# Altium PCB PCB_121224_01AA.PcbDoc (part 1 of 2)
Units mm, origin at the board's own origin, x right, y up, seen from the top; angles counter-clockwise.
Board outline 80 x 51 mm, 4 copper layers (Top Layer, Layer 1, Layer 2, Bottom Layer), stack 1.578 mm thick; 124 components, 66 nets, 343 pads, 298 vias.
Unrouted connection lines stored in the file: 81.
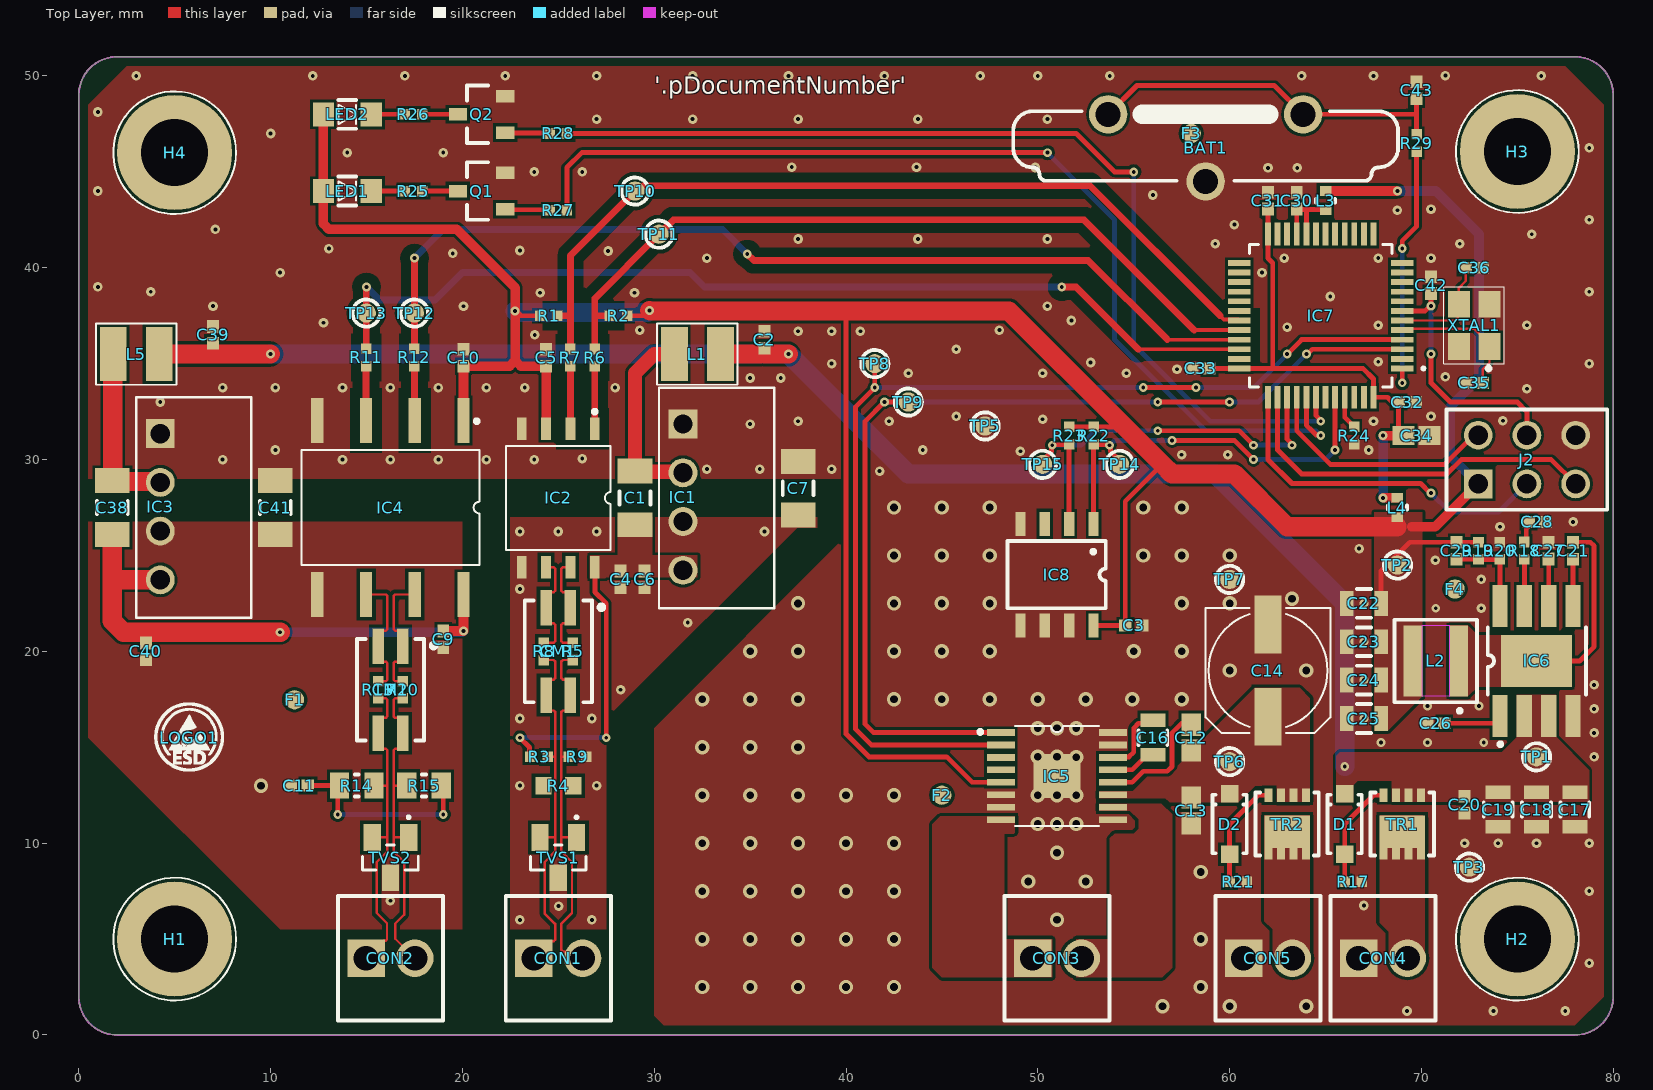
[diagram p0: Top Layer view]
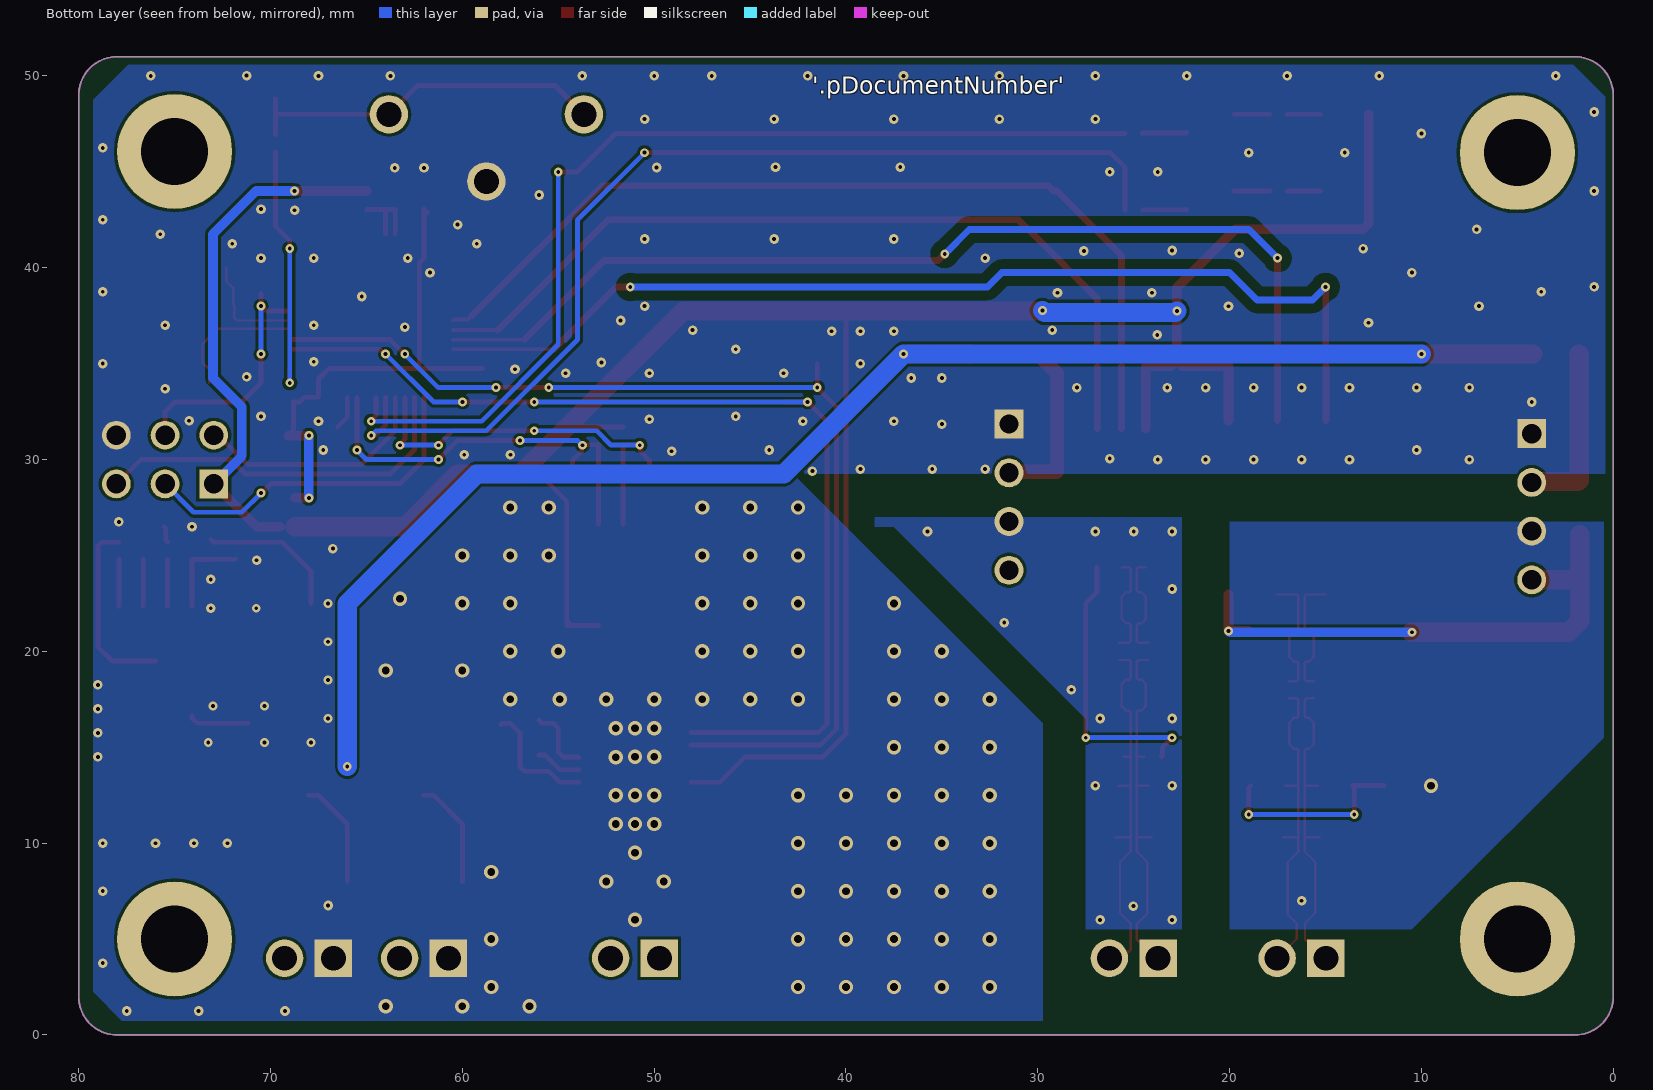
[diagram p1: Bottom Layer view, seen from below]
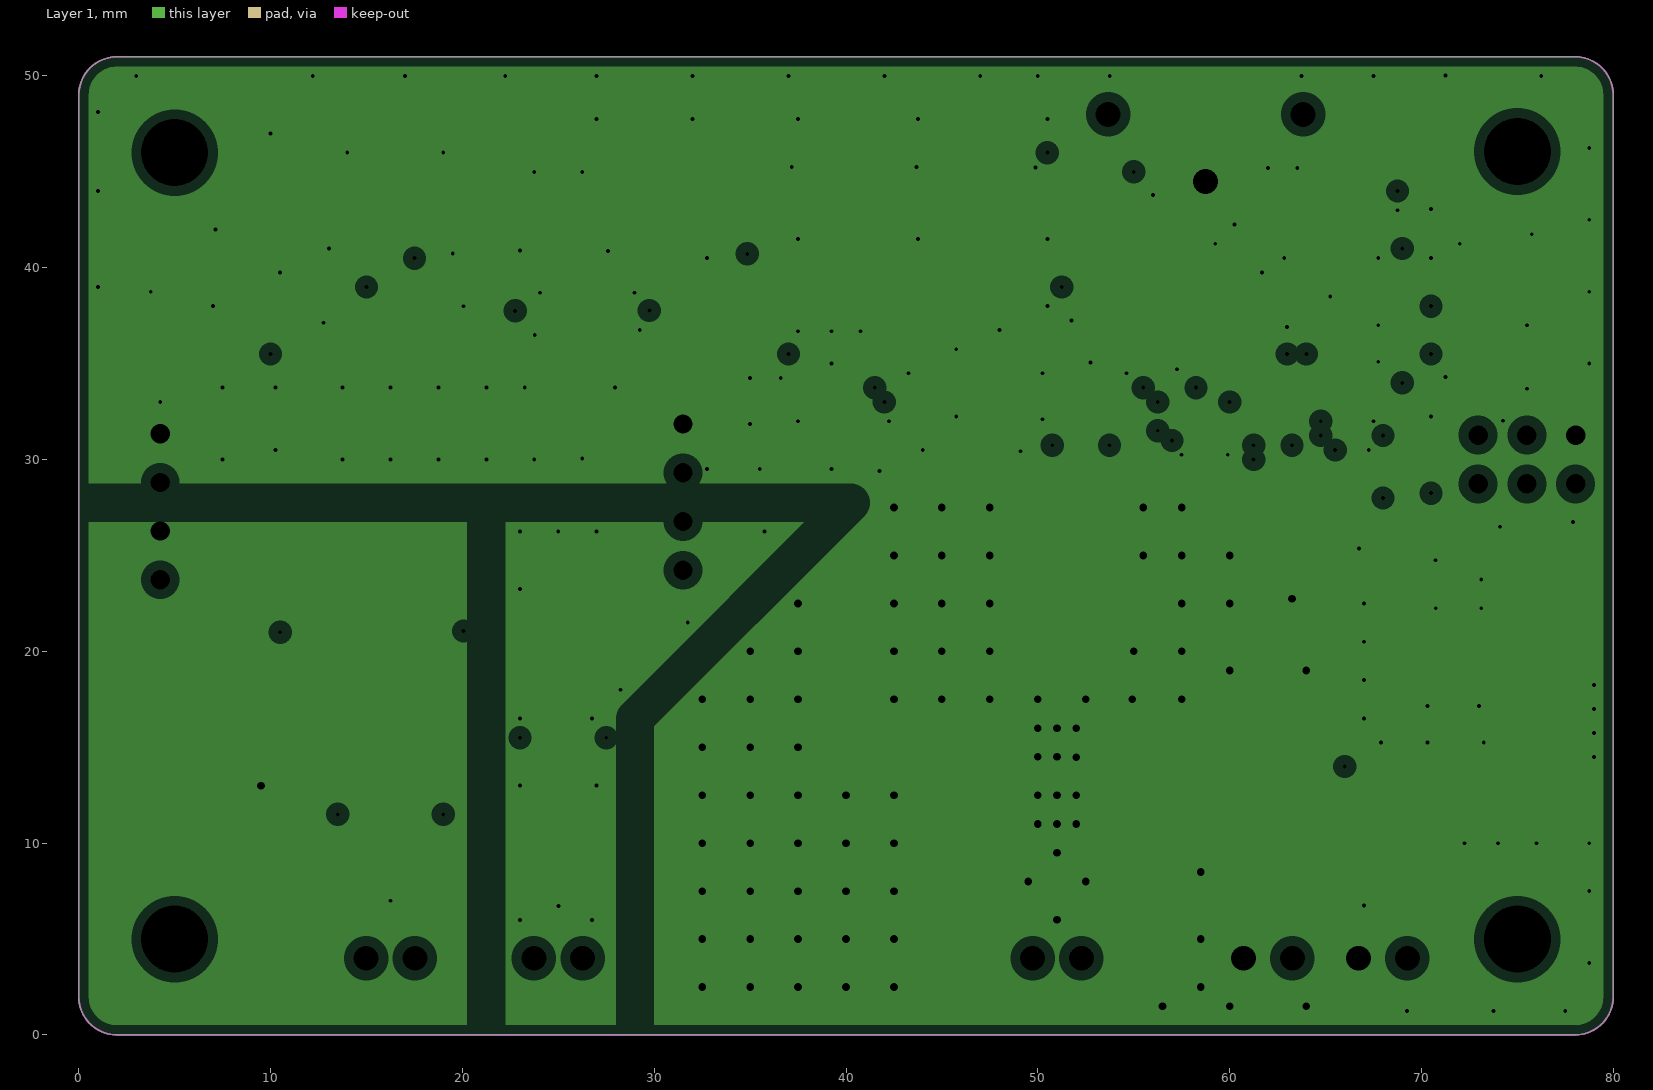
[diagram p2: Layer 1, clearances drawn from the general rule]
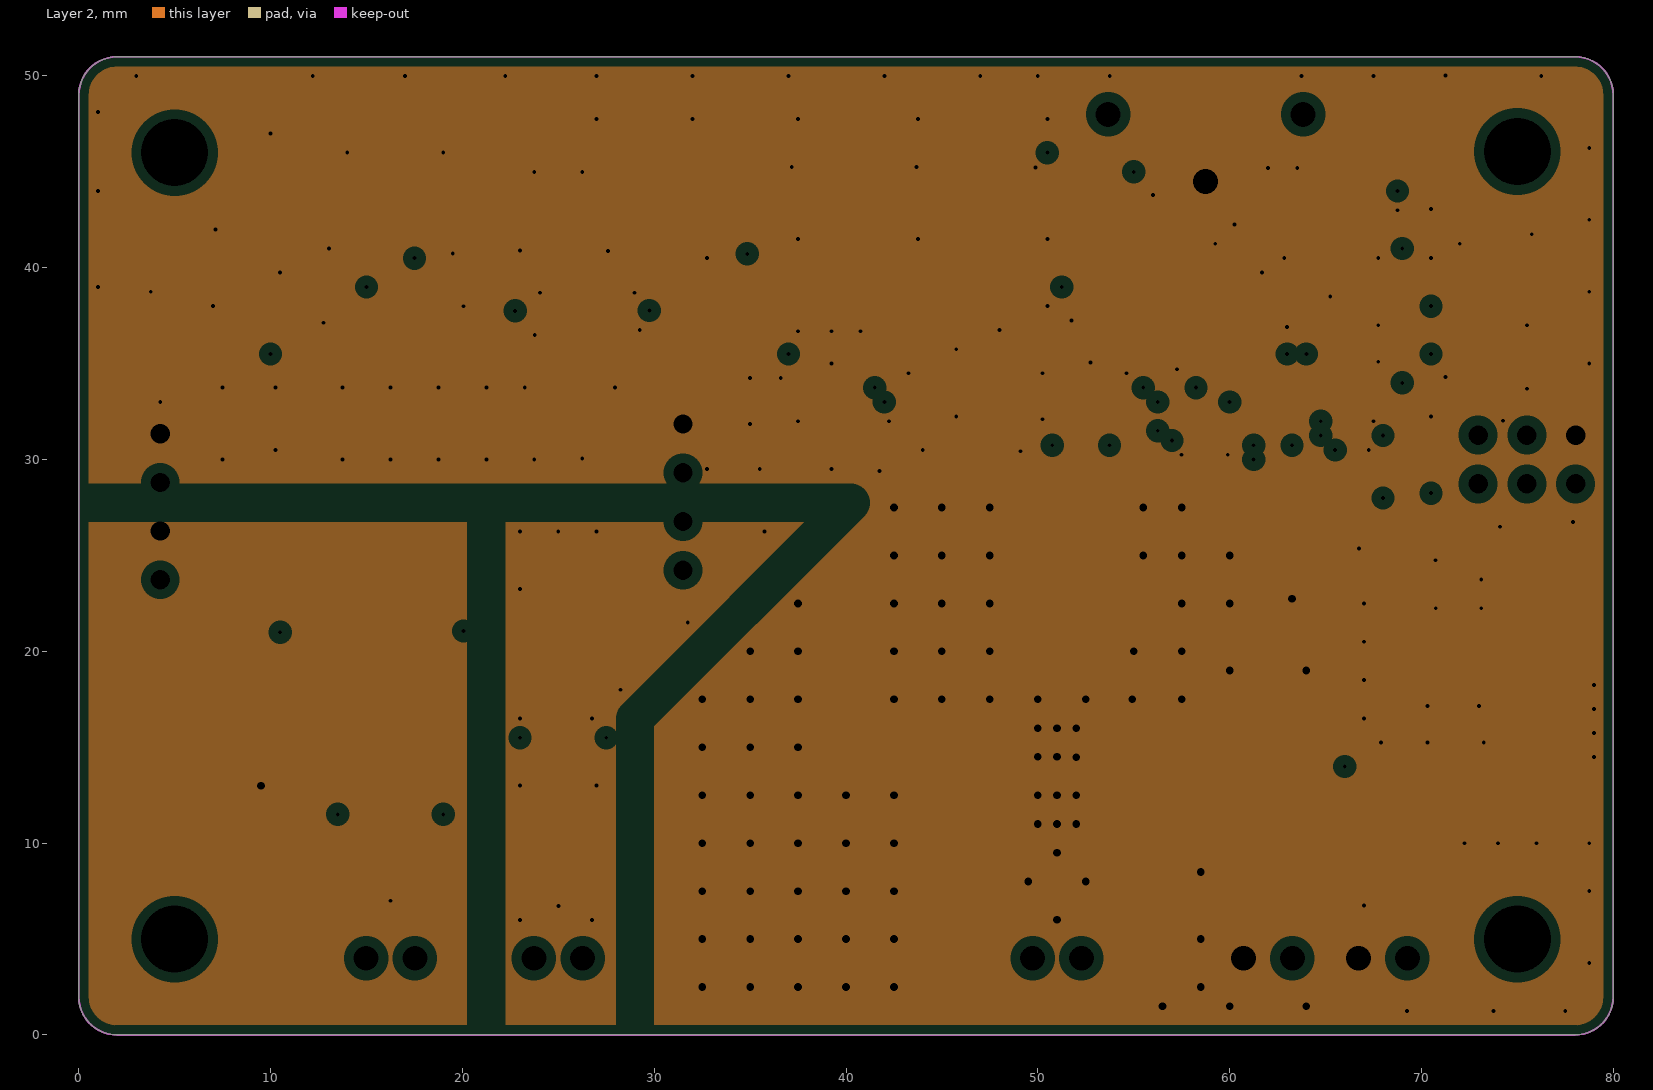
[diagram p3: Layer 2, clearances drawn from the general rule]
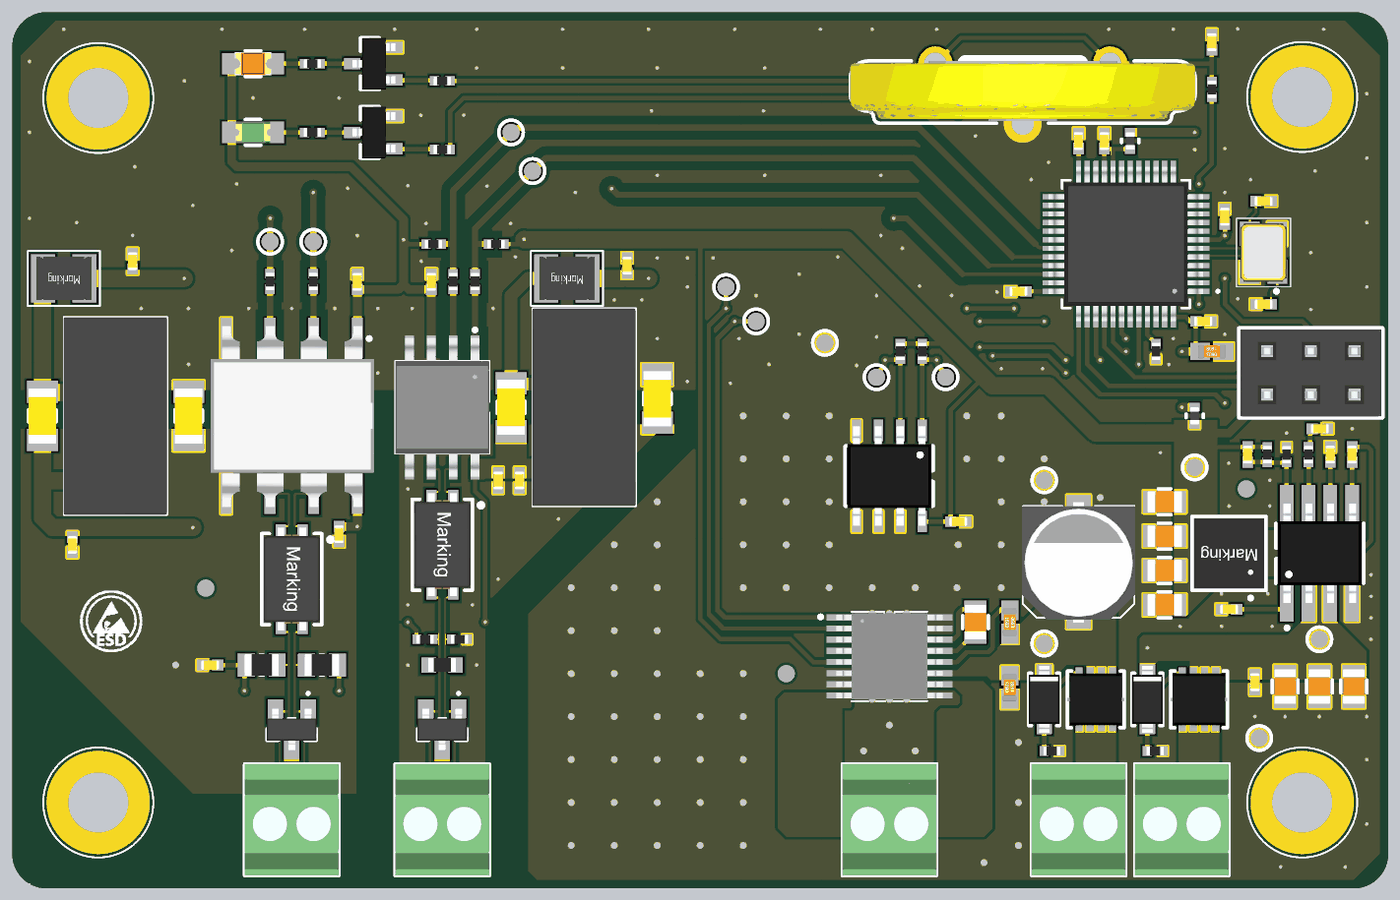
[diagram p5: 3D render of the assembled board from above, using the file's embedded part models]

## Layer stack, top to bottom
Top Solder: solder mask 0.01, Solder Resist, Dk 3.5
Top Layer: signal copper 0.0351
Dielectric 1: prepreg 0.1069, PP-015, Dk 4.3
Dielectric 3: prepreg 0.0993, PP-015, Dk 4.3
Layer 1: plane copper 0.0152, net (Multiple Nets)
Dielectric1: dielectric 1.065, FR-4, Dk 4.8
Layer 2: plane copper 0.0152, net (Multiple Nets)
Dielectric 4: prepreg 0.0993, PP-015, Dk 4.3
Dielectric 2: prepreg 0.1069, PP-015, Dk 4.3
Bottom Layer: signal copper 0.0351
Bottom Solder: solder mask 0.01, Solder Resist, Dk 3.5

## Board outline
0,2 0,49 cw(c2,49) 2,51 78,51 cw(c78,49) 80,49 80,2 cw(c78,2) 78,0 2,0 cw(c2,2)

## Design rules (kind name [scope] priority, off if disabled: settings)
BoardOutlineClearance [All] p1: gap=0.4 ignorepadtopadclearanceinfootprint=FALSE
Clearance UART_CLEARANCE [InNetClass('UART_50R') vs InNet('GND')] p1: gap=0.508 ignorepadtopadclearanceinfootprint=TRUE
Clearance CAN_CLEARANCE [InNetClass('CAN_50R') vs InNet('GND')] p2: gap=0.508 ignorepadtopadclearanceinfootprint=TRUE
Clearance DIFF_CAN_CLEARANCE [InDifferentialPairClass('CAN_120R')] p3: gap=0.202 ignorepadtopadclearanceinfootprint=TRUE
Clearance DIFF_RS485_CLEARANCE [InDifferentialPairClass('RS485_120R')] p4: gap=0.202 ignorepadtopadclearanceinfootprint=TRUE
Clearance [All] p5: gap=0.152 ignorepadtopadclearanceinfootprint=TRUE
ComponentClearance [All] p1: gap=0 collisioncheckmode=3 verticalgap=0 showdistances=FALSE
DiffPairsRouting RS485 [InDifferentialPairClass('RS485_120R')] p1: maxlimit=0.203 minlimit=0.203 mostfreqgap=0.203 toplayer_minwidth=0.125 toplayer_maxwidth=0.125 toplayer_prefwidth=0.125 bottomlayer_minwidth=0.125 bottomlayer_maxwidth=0.125 bottomlayer_prefwidth=0.125 maxuncoupledlength=12.7
DiffPairsRouting CAN [InDifferentialPairClass('CAN_120R')] p2: maxlimit=0.203 minlimit=0.203 mostfreqgap=0.203 toplayer_minwidth=0.125 toplayer_maxwidth=0.125 toplayer_prefwidth=0.125 bottomlayer_minwidth=0.125 bottomlayer_maxwidth=0.125 bottomlayer_prefwidth=0.125 maxuncoupledlength=12.7
DiffPairsRouting [All] p3: maxlimit=0.254 minlimit=0.254 mostfreqgap=0.254 toplayer_minwidth=0.254 toplayer_maxwidth=0.254 toplayer_prefwidth=0.254 bottomlayer_minwidth=0.254 bottomlayer_maxwidth=0.254 bottomlayer_prefwidth=0.254 maxuncoupledlength=12.7
FabricationTestPointUsage TestPointUsage [All] p1: valid=0 allowmultiple=FALSE
FabricationTestpoint Testpoint [All] p1: side=3 testpointundercomponent=TRUE minsize=1.016 maxsize=2.54 preferedsize=1.524 minholesize=0 maxholesize=1.016 preferedholesize=0.813 testpointgrid=0.025 allowsidetop=TRUE allowsidebottom=TRUE usegrid=TRUE gridtolerance=0
HoleSize PadHoleSize [IsPad] p1: absolutevalues=TRUE maxlimit=6.35 minlimit=0.2 maxpercent=80.000 minpercent=20.000
HoleSize ViaHoleSize [IsVia] p2: absolutevalues=TRUE maxlimit=6.35 minlimit=0.2 maxpercent=80.000 minpercent=20.000
MinimumAnnularRing [All] p1: minimumring=0.13
PlaneClearance [All] p1: clearance=0.508
PlaneConnect [All] p1: planeconnectstyle=Direct reliefexpansion=0.508 reliefentries=4 reliefconductorwidth=0.254 reliefairgap=0.254
PolygonConnect [All] p1: connectstyle=Direct reliefconductorwidth=0.254 reliefentries=4 polygonreliefangle="90 Angle" airgapwidth=0.254
RoutingVias [All] p1: holewidth=0.2 width=0.46 viastyle="Through Hole" minholewidth=0.2 minwidth=0.46 maxholewidth=6.3 maxwidth=10
SilkToSolderMaskClearance SilkscreenOverComponentPads [IsPad] p1: minsilkscreentomaskgap=0.254 clearancetoexposedcopper=TRUE
SolderMaskExpansion [All] p1: expansion=0.102 istentingtop=FALSE
UnRoutedNet [All] p1: checkbadconnections=TRUE
Width SINGLENDED_UART [InNetClass('UART_50R')] p1: maxlimit=0.355 minlimit=0.2 preferedwidth=0.355 minimp=50.000000 maximp=50.000000 favimp=50.000000
Width SINGLENDED_CAN [InNetClass('CAN_50R')] p2: maxlimit=0.355 minlimit=0.2 preferedwidth=0.355 minimp=50.000000 maximp=50.000000 favimp=50.000000
Width [All] p3: maxlimit=2 minlimit=0.127 preferedwidth=0.254
21 further rules are at their usual default settings.

## Classes and differential pairs
differential pair class RS485_120R: RS485 RS485_
differential pair class CAN_120R: CAN CAN_
net class UART_50R: NetR6_2 NetR7_2 RS485_RX RS485_TX
net class CAN_50R: CAN_RX CAN_TX NetR11_2 NetR12_2
component class POWER: C17 C18 C19 C20 C21 C22 C23 C24 C25 C26 C27 C28 C29 CON4 CON5 D1 D2 IC6 L2 R17 R18 R19 R20 R21 TP1 TP2 TP3 TP5 TP6 TP7 TR1 TR2
component class "MOTOR DRIVER": C3 C12 C13 C14 C16 CON3 IC5 IC8 R22 R23 TP14 TP15
component class COMMINACATION: C1 C2 C4 C5 C6 C7 C9 C10 C11 C38 C39 C40 C41 CM1 CM2 CON1 CON2 IC1 IC2 IC3 IC4 L1 L5 R1 R2 R3 R4 R5 R6 R7 R8 R9 R10 R11 R12 R13 R14 R15 TVS1 TVS2
component class Main: F1 F2 F3 F4 H1 H2 H3 H4 LOGO1
component class MCU: BAT1 C30 C31 C32 C33 C34 C35 C36 C42 C43 IC7 J2 L3 L4 LED1 LED2 Q1 Q2 R24 R25 R26 R27 R28 R29 TP8 TP9 TP10 TP11 TP12 TP13 XTAL1
differential pair RS485: +RS485_P -RS485_N
differential pair RS485_: +RS485__P -RS485__N
differential pair CAN: +CAN_P -CAN_N
differential pair CAN_: +CAN__P -CAN__N

## Components (designator, comment, footprint, x,y, rotation, side; value= is the part's Value field where it differs from the comment)
BAT1 "CR2032V" CR2032V 58.75,46.25 r270 top
C1 "330pF" C1206 29,28 r270 top value=330000
C2 "10uF" C0402 35.75,36.25 r270 top value=10000000
C3 "100nF" C0402 55,21.35 r180 top value=100000
C4 "100nF" C0402 28.25,23.75 r90 top value=100000
C5 "100nF" C0402 24.365,35.305 r270 top value=100000
C6 "10uF" C0402 29.5,23.75 r90 top value=10000000
C7 "330pF" C1206 37.5,28.5 r270 top value=330000
C9 "100nF" C0402 19,20.62 r90 top value=100000
C10 "100nF" C0402 20.06,35.305 r270 top value=100000
C11 "47pF" C0402 11.5,13 r0 top value=47
C12 "100nF" C0603 58,15.5 r270 top value=100000
C13 "100nF" C0603 58,11.697 r90 top value=100000
C14 "100UF" "6mm Aliminyum Smd" 62,19 r270 top value=100000000
C16 "22nF" C0805 56,15.5 r90 top value=22000
C17 "10uF" C0805 78,11.75 r90 top value=10000000
C18 "10uF" C0805 76,11.75 r90 top value=10000000
C19 "10uF" C0805 74,11.75 r90 top value=10000000
C20 "100nF" C0402 72.25,12 r90 top value=100000
C21 "100nF" C0402 77.905,25.251 r90 top value=100000
C22 "10uF" C0805 67,22.5 r0 top value=10000000
C23 "10uF" C0805 67,20.5 r0 top value=10000000
C24 "10uF" C0805 67,18.5 r0 top value=10000000
C25 "10uF" C0805 67,16.5 r0 top value=10000000
C26 "33nF" C0402 70.75,16.25 r0 top value=33000
C27 "100nF" C0402 76.635,25.256 r270 top value=100000
C28 "470pF" C0402 76.03,26.75 r180 top value=470
C29 "120pF" C0402 71.831,25.248 r90 top value=120
C30 "100nF" C0402 63.5,43.5 r270 top value=100000
C31 "100nF" C0402 62,43.5 r270 top value=100000
C32 "100nF" C0402 69.25,33 r180 top value=100000
C33 "100nF" C0402 58.5,34.75 r0 top value=100000
C34 "4.7uF" C0603 69.75,31.25 r180 top value=4700000
C35 "18pF" C0402 72.75,34 r0 top value=18
C36 "18pF" C0402 72.75,40 r180 top value=18
C38 "330pF" C1206 1.75,27.5 r270 top value=330000
C39 "10uF" C0402 7,36.5 r270 top value=10000000
C40 "10uF" C0402 3.5,20 r90 top value=10000000
C41 "330pF" C1206 10.25,27.5 r270 top value=330000
C42 "100nF" C0402 70.5,39.098 r270 top value=100000
C43 "100nF" C0402 69.75,49.25 r270 top value=100000
CM1 "744242110" WE-SLM_L6W3.3H3.3 25,20 r270 top
CM2 "744242110" WE-SLM_L6W3.3H3.3 16.25,18 r270 top
CON1 "691210910002" 691210910002 25,4 r0 top
CON2 "691210910002" 691210910002 16.25,4 r0 top
CON3 "691210910002" 691210910002 51,4 r0 top
CON4 "691210910002" 691210910002 68,4 r0 top
CON5 "691210910002" 691210910002 62,4 r0 top
D1 "6.2V 500MW SOD123" SOD123 66,11 r90 top
D2 "6.2V 500MW SOD123" SOD123 60,11 r90 top
F1 "1mm Fiducial" "1mm Fiducial" 11.25,17.477 r0 top
F2 "1mm Fiducial" "1mm Fiducial" 45,12.5 r0 top
F3 "1mm Fiducial" "1mm Fiducial" 58,47 r0 top
F4 "1mm Fiducial" "1mm Fiducial" 71.75,23.25 r0 top
H1 "3.5mm hole" "3.5mm hole" 5,5 r0 top
H2 "3.5mm hole" "3.5mm hole" 75,5 r0 top
H3 "3.5mm hole" "3.5mm hole" 75,46.06 r0 top
H4 "3.5mm hole" "3.5mm hole" 5,46 r0 top
IC1 "RFM-0505S" RFM-0505S 33.25,28 r270 top
IC2 "MAX22025FAWA+" "WIDE SOIC 08" 25,28 r270 top
IC3 "RFM-0505S" RFM-0505S 6,27.5 r270 top
IC4 "ISO1050DUB" SOP254P1040X485-8N 16.25,27.5 r270 top
IC5 "DRV8876NPWPR" HTSSOP16_4P4X5_TEX-M 51,13.5 r0 top
IC6 "AOZ6606PI" "SO08 - EP1" 76,19.5 r90 top
IC7 "STM32G431CBT6" LQFP48-7X7MM 64.75,37.5 r180 top locked
IC8 "LM75BD,118" SO08 51,24 r270 top
J2 "61300621821" 61300621821 75.5,30 r0 top